# KiCad board UNI_i5.kicad_pcb
title: zensai65_UNI_i5; rev: v6; company: shoonie
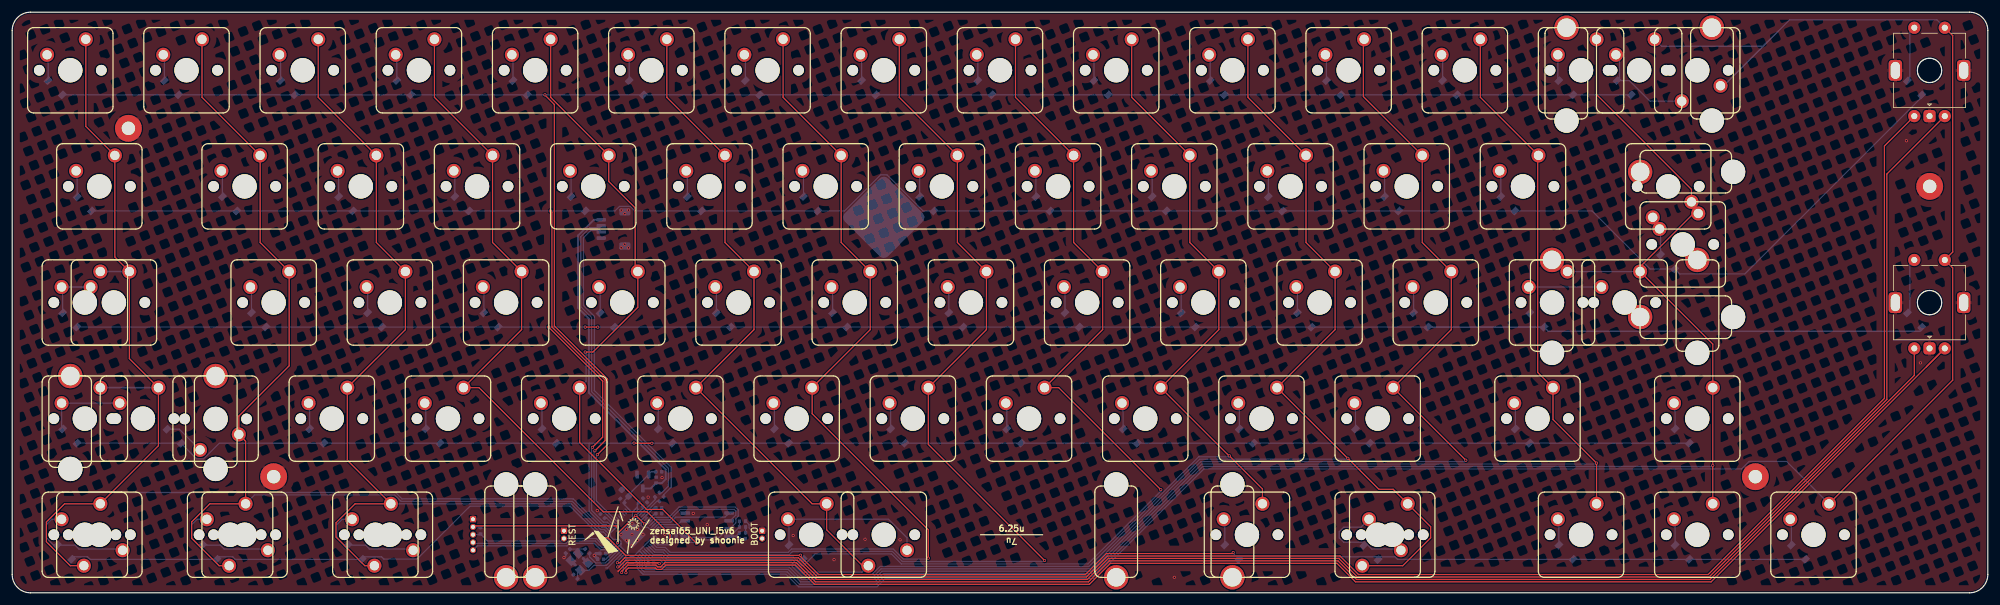
[diagram p0: board, top side]
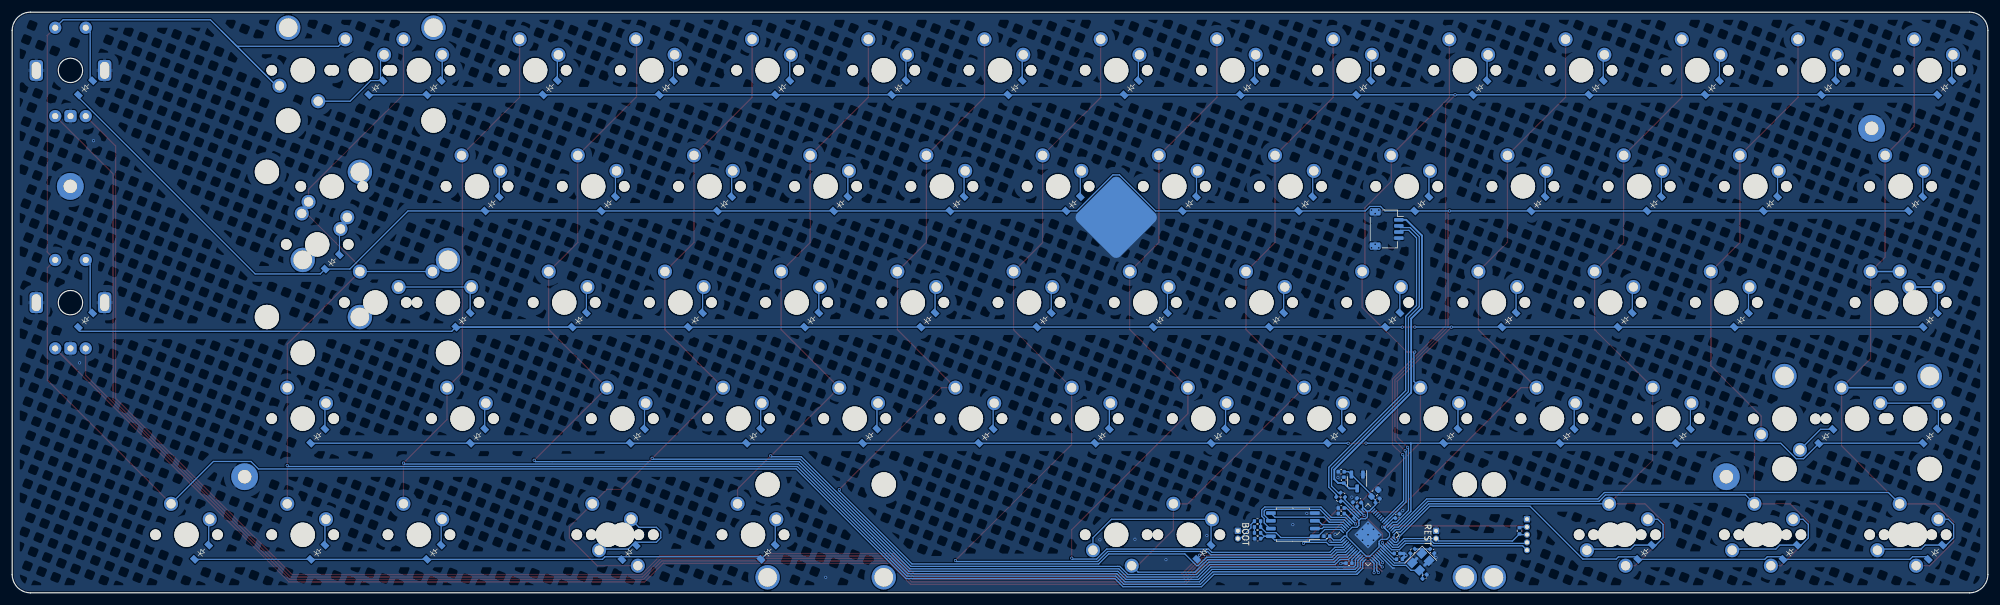
[diagram p1: board, bottom side, seen from below]

Outline 323.85 x 95.25 mm; copper layers: Top, Bottom. Coordinates in mm from the lower left corner of the outline.
Outline path: circle c314.3,85.7 r2 ; circle c314.3,47.6 r2 ; 0,92.25 0,3 arc(0.88,0.88) 3,0 320.85,0 arc(322.97,0.88) 323.85,3 323.85,92.25 arc(322.97,94.37) 320.85,95.25 3,95.25 arc(0.88,94.37) 0,92.25
Stack: Top 0.035mm / dielectric 1.51mm FR4 er 4.5 / Bottom 0.035mm

## Placement (name value [footprint] x y rotation side)
C1  1u  [C_0402_1005Metric]  105.56 18.49 90 bottom
C2  1u  [C_0402_1005Metric]  105.99 19.86 0 bottom
C3  10u  [C_0603_1608Metric]  100.48 16.36 135 bottom
C4  1u  [C_0402_1005Metric]  103.73 14.5 45 bottom
C5  100n  [C_0402_1005Metric]  105.99 13 0 bottom
C6  1u  [C_0402_1005Metric]  100.03 15.11 135 bottom
C7  100n  [C_0402_1005Metric]  103.07 15.16 45 bottom
C8  100n  [C_0402_1005Metric]  105.99 13.92 0 bottom
C9  100n  [C_0402_1005Metric]  96.77 12.6 135 bottom
C10  22p  [C_0402_1005Metric]  92.33 2.64 315 bottom
C11  22p  [C_0402_1005Metric]  91.08 6.83 45 bottom
C12  1u  [C_0402_1005Metric]  119.68 8.89 0 bottom
C13  100n  [C_0402_1005Metric]  96.82 6.45 180 bottom
C14  100n  [C_0402_1005Metric]  96.44 5.51 180 bottom
C15  100n  [C_0402_1005Metric]  108.36 9.3 0 bottom
C16  100n  [C_0402_1005Metric]  104.72 4.85 0 bottom
D1  D_Small  [D_SOD-123_CLEAN]  6.99 82.93 315 bottom
D2  D_Small  [D_SOD-123_CLEAN]  26.04 82.93 315 bottom
D3  D_Small  [D_SOD-123_CLEAN]  45.09 82.93 315 bottom
D4  D_Small  [D_SOD-123_CLEAN]  64.14 82.93 315 bottom
D5  D_Small  [D_SOD-123_CLEAN]  83.19 82.93 315 bottom
D6  D_Small  [D_SOD-123_CLEAN]  102.24 82.93 315 bottom
D7  D_Small  [D_SOD-123_CLEAN]  121.29 82.93 315 bottom
D8  D_Small  [D_SOD-123_CLEAN]  140.34 82.93 315 bottom
D9  D_Small  [D_SOD-123_CLEAN]  159.39 82.93 315 bottom
D10  D_Small  [D_SOD-123_CLEAN]  178.44 82.93 315 bottom
D11  D_Small  [D_SOD-123_CLEAN]  197.49 82.93 315 bottom
D12  D_Small  [D_SOD-123_CLEAN]  216.54 82.93 315 bottom
D13  D_Small  [D_SOD-123_CLEAN]  235.59 82.93 315 bottom
D14  D_Small  [D_SOD-123_CLEAN]  254.64 82.93 315 bottom
D15  D_Small  [D_SOD-123_CLEAN]  264.16 82.93 315 bottom
D17  D_Small  [D_SOD-123_CLEAN]  11.75 63.88 315 bottom
D18  D_Small  [D_SOD-123_CLEAN]  35.56 63.88 315 bottom
D19  D_Small  [D_SOD-123_CLEAN]  54.61 63.88 315 bottom
D20  D_Small  [D_SOD-123_CLEAN]  73.66 63.88 315 bottom
D21  D_Small  [D_SOD-123_CLEAN]  92.71 63.88 315 bottom
D22  D_Small  [D_SOD-123_CLEAN]  111.76 63.88 315 bottom
D23  D_Small  [D_SOD-123_CLEAN]  130.81 63.88 315 bottom
D24  D_Small  [D_SOD-123_CLEAN]  149.86 63.88 315 bottom
D25  D_Small  [D_SOD-123_CLEAN]  168.91 63.88 315 bottom
D26  D_Small  [D_SOD-123_CLEAN]  187.96 63.88 315 bottom
D27  D_Small  [D_SOD-123_CLEAN]  207.01 63.88 315 bottom
D28  D_Small  [D_SOD-123_CLEAN]  226.06 63.88 315 bottom
D29  D_Small  [D_SOD-123_CLEAN]  245.11 63.88 315 bottom
D31  D_Small  [D_SOD-123_CLEAN]  271.3 54.36 315 bottom
D32  D_Small  [D_SOD-123_CLEAN]  311.76 82.91 315 bottom
D33  D_Small  [D_SOD-123_CLEAN]  9.37 44.83 315 bottom
D35  D_Small  [D_SOD-123_CLEAN]  40.32 44.83 315 bottom
D36  D_Small  [D_SOD-123_CLEAN]  59.37 44.83 315 bottom
D37  D_Small  [D_SOD-123_CLEAN]  78.42 44.83 315 bottom
D38  D_Small  [D_SOD-123_CLEAN]  97.47 44.83 315 bottom
D39  D_Small  [D_SOD-123_CLEAN]  116.52 44.83 315 bottom
D40  D_Small  [D_SOD-123_CLEAN]  135.57 44.83 315 bottom
D41  D_Small  [D_SOD-123_CLEAN]  154.62 44.83 315 bottom
D42  D_Small  [D_SOD-123_CLEAN]  173.67 44.83 315 bottom
D43  D_Small  [D_SOD-123_CLEAN]  192.72 44.83 315 bottom
D44  D_Small  [D_SOD-123_CLEAN]  211.77 44.83 315 bottom
D45  D_Small  [D_SOD-123_CLEAN]  230.82 44.83 315 bottom
D46  D_Small  [D_SOD-123_CLEAN]  249.87 44.83 315 bottom
D48  D_Small  [D_SOD-123_CLEAN]  311.76 44.81 315 bottom
D49  D_Small  [D_SOD-123_CLEAN]  9.37 25.78 315 bottom
D51  D_Small  [D_SOD-123_CLEAN]  26.47 25.73 315 bottom
D52  D_Small  [D_SOD-123_CLEAN]  49.85 25.78 315 bottom
D53  D_Small  [D_SOD-123_CLEAN]  68.9 25.78 315 bottom
D54  D_Small  [D_SOD-123_CLEAN]  87.95 25.78 315 bottom
D55  D_Small  [D_SOD-123_CLEAN]  107 25.78 315 bottom
D56  D_Small  [D_SOD-123_CLEAN]  126.05 25.78 315 bottom
D57  D_Small  [D_SOD-123_CLEAN]  145.1 25.78 315 bottom
D58  D_Small  [D_SOD-123_CLEAN]  164.15 25.78 315 bottom
D59  D_Small  [D_SOD-123_CLEAN]  183.2 25.78 315 bottom
D60  D_Small  [D_SOD-123_CLEAN]  202.25 25.78 315 bottom
D61  D_Small  [D_SOD-123_CLEAN]  221.3 25.78 315 bottom
D62  D_Small  [D_SOD-123_CLEAN]  247.49 25.78 315 bottom
D63  D_Small  [D_SOD-123_CLEAN]  273.69 25.78 315 bottom
D64  D_Small  [D_SOD-123_CLEAN]  8.51 6.73 315 bottom
D66  D_Small  [D_SOD-123_CLEAN]  32.33 6.73 315 bottom
D68  D_Small  [D_SOD-123_CLEAN]  56.14 6.73 315 bottom
D70  D_Small  [D_SOD-123_CLEAN]  128.43 6.73 315 bottom
D72  D_Small  [D_SOD-123_CLEAN]  199.87 6.73 315 bottom
D74  D_Small  [D_SOD-123_CLEAN]  222.66 6.68 315 bottom
D75  D_Small  [D_SOD-123_CLEAN]  254.64 6.73 315 bottom
D76  D_Small  [D_SOD-123_CLEAN]  273.69 6.73 315 bottom
D77  D_Small  [D_SOD-123_CLEAN]  292.74 6.73 315 bottom
H1  MountingHole_Pad  [MountingHole_2.2mm_M2_Pad]  19.05 76.2 0 top
H2  MountingHole_Pad  [MountingHole_2.2mm_M2_Pad]  42.86 19.05 0 top
H3  MountingHole_Pad  [MountingHole_2.2mm_M2_Pad]  314.33 66.67 0 top
H4  MountingHole_Pad  [MountingHole_2.2mm_M2_Pad]  285.75 19.05 0 top
H5  -  [info]  104.39 9.4 0 top
H6  bottom row guide  [bottom_row_guide]  163.83 9.53 0 top
H7  MountingHole_Pad  [MountingHole_6mm_Pad]  142.88 61.59 180 bottom
J1  ZX-SH1.0-4PWT  [JST_SH_SM04B-SRSS-TB_1x04-1MP_P1.00mm_Horizontal]  98.55 59.69 270 bottom
J3  Conn_01x05  [PinHeader_1x05_P1.27mm_Vertical]  75.54 12.08 180 bottom
R3  5.1k  [R_0402_1005Metric]  76.76 10.17 90 bottom
R4  27  [R_0402_1005Metric]  106.43 15.37 225 bottom
R5  27  [R_0402_1005Metric]  105.75 16.06 225 bottom
R6  1k  [R_0402_1005Metric]  94.28 6.83 315 bottom
R7  1k  [R_0402_1005Metric]  119.71 11.76 180 bottom
R8  5.1k  [R_0402_1005Metric]  119.71 10.8 0 bottom
R9  5.1k  [R_0402_1005Metric]  119.71 9.83 180 bottom
S15  MX_stab  [STAB_MX_P_2u]  266.7 85.72 0 top
S31  MX_stab  [STAB_MX_P_2u]  273.84 57.15 90 top
S47  MX_stab  [STAB_MX_P_2u]  264.32 47.62 0 top
S50  MX_stab  [STAB_MX_P_2u]  21.43 28.58 0 top
S70  MX_stab  [STAB_MX_P_6.25u]  130.97 9.53 180 top
S71  MX_stab  [STAB_MX_P_7u]  142.88 9.53 180 top
SW1  MX_SW_solder  [SW_MX_1u]  9.53 85.72 0 top
SW2  MX_SW_solder  [SW_MX_1u]  28.58 85.72 0 top
SW3  MX_SW_solder  [SW_MX_1u]  47.63 85.72 0 top
SW4  MX_SW_solder  [SW_MX_1u]  66.68 85.72 0 top
SW5  MX_SW_solder  [SW_MX_1u]  85.73 85.72 0 top
SW6  MX_SW_solder  [SW_MX_1u]  104.78 85.72 0 top
SW7  MX_SW_solder  [SW_MX_1u]  123.83 85.72 0 top
SW8  MX_SW_solder  [SW_MX_1u]  142.88 85.72 0 top
SW9  MX_SW_solder  [SW_MX_1u]  161.93 85.72 0 top
SW10  MX_SW_solder  [SW_MX_1u]  180.98 85.72 0 top
SW11  MX_SW_solder  [SW_MX_1u]  200.03 85.72 0 top
SW12  MX_SW_solder  [SW_MX_1u]  219.08 85.72 0 top
SW13  MX_SW_solder  [SW_MX_1u]  238.13 85.72 0 top
SW14  MX_SW_solder  [SW_MX_1u]  257.18 85.72 0 top
SW15  MX_SW_solder  [SW_MX_1u]  266.7 85.72 0 top
SW16  MX_SW_solder  [SW_MX_1u]  276.23 85.72 180 top
SW17  MX_SW_solder  [SW_MX_1u]  14.29 66.67 0 top
SW18  MX_SW_solder  [SW_MX_1u]  38.1 66.67 0 top
SW19  MX_SW_solder  [SW_MX_1u]  57.15 66.67 0 top
SW20  MX_SW_solder  [SW_MX_1u]  76.2 66.67 0 top
SW21  MX_SW_solder  [SW_MX_1u]  95.25 66.67 0 top
SW22  MX_SW_solder  [SW_MX_1u]  114.3 66.67 0 top
SW23  MX_SW_solder  [SW_MX_1u]  133.35 66.67 0 top
SW24  MX_SW_solder  [SW_MX_1u]  152.4 66.67 0 top
SW25  MX_SW_solder  [SW_MX_1u]  171.45 66.67 0 top
SW26  MX_SW_solder  [SW_MX_1u]  190.5 66.67 0 top
SW27  MX_SW_solder  [SW_MX_1u]  209.55 66.67 0 top
SW28  MX_SW_solder  [SW_MX_1u]  228.6 66.67 0 top
SW29  MX_SW_solder  [SW_MX_1u]  247.65 66.67 0 top
SW30  MX_SW_solder  [SW_MX_1u]  271.46 66.67 180 top
SW31  MX_SW_solder  [SW_MX_1u]  273.84 57.15 0 top
SW32  RotaryEncoder_Switch  [ROT_Alps_EC11E-Switch]  314.3 85.7 0 top
SW33  MX_SW_solder  [SW_MX_1u]  11.91 47.62 0 top
SW34  MX_SW_solder  [SW_MX_1u]  16.67 47.62 0 top
SW35  MX_SW_solder  [SW_MX_1u]  42.86 47.62 0 top
SW36  MX_SW_solder  [SW_MX_1u]  61.91 47.62 0 top
SW37  MX_SW_solder  [SW_MX_1u]  80.96 47.62 0 top
SW38  MX_SW_solder  [SW_MX_1u]  100.01 47.62 0 top
SW39  MX_SW_solder  [SW_MX_1u]  119.06 47.62 0 top
SW40  MX_SW_solder  [SW_MX_1u]  138.11 47.62 0 top
SW41  MX_SW_solder  [SW_MX_1u]  157.16 47.62 0 top
SW42  MX_SW_solder  [SW_MX_1u]  176.21 47.62 0 top
SW43  MX_SW_solder  [SW_MX_1u]  195.26 47.62 0 top
SW44  MX_SW_solder  [SW_MX_1u]  214.31 47.62 0 top
SW45  MX_SW_solder  [SW_MX_1u]  233.36 47.62 0 top
SW46  MX_SW_solder  [SW_MX_1u]  252.41 47.62 0 top
SW47  MX_SW_solder  [SW_MX_1u]  264.32 47.62 0 top
SW48  RotaryEncoder_Switch  [ROT_Alps_EC11E-Switch]  314.3 47.6 0 top
SW49  MX_SW_solder  [SW_MX_1u]  11.91 28.58 0 top
SW50  MX_SW_solder  [SW_MX_1u]  21.43 28.58 0 top
SW51  MX_SW_solder  [SW_MX_1u]  33.34 28.52 180 top
SW52  MX_SW_solder  [SW_MX_1u]  52.39 28.58 0 top
SW53  MX_SW_solder  [SW_MX_1u]  71.44 28.58 0 top
SW54  MX_SW_solder  [SW_MX_1u]  90.49 28.58 0 top
SW55  MX_SW_solder  [SW_MX_1u]  109.54 28.58 0 top
SW56  MX_SW_solder  [SW_MX_1u]  128.59 28.58 0 top
SW57  MX_SW_solder  [SW_MX_1u]  147.64 28.58 0 top
SW58  MX_SW_solder  [SW_MX_1u]  166.69 28.58 0 top
SW59  MX_SW_solder  [SW_MX_1u]  185.74 28.58 0 top
SW60  MX_SW_solder  [SW_MX_1u]  204.79 28.58 0 top
SW61  MX_SW_solder  [SW_MX_1u]  223.84 28.58 0 top
SW62  MX_SW_solder  [SW_MX_1u]  250.03 28.58 0 top
SW63  MX_SW_solder  [SW_MX_1u]  276.23 28.58 0 top
SW64  MX_SW_solder  [SW_MX_1u]  11.91 9.53 0 top
SW65  MX_SW_solder  [SW_MX_1u]  14.29 9.53 180 top
SW66  MX_SW_solder  [SW_MX_1u]  35.72 9.53 0 top
SW67  MX_SW_solder  [SW_MX_1u]  38.1 9.53 180 top
SW68  MX_SW_solder  [SW_MX_1u]  59.53 9.53 0 top
SW69  MX_SW_solder  [SW_MX_1u]  61.91 9.53 180 top
SW70  MX_SW_solder  [SW_MX_1u]  130.97 9.53 0 top
SW71  MX_SW_solder  [SW_MX_1u]  142.88 9.53 180 top
SW72  MX_SW_solder  [SW_MX_1u]  202.41 9.53 0 top
SW73  MX_SW_solder  [SW_MX_1u]  223.84 9.53 180 top
SW74  MX_SW_solder  [SW_MX_1u]  226.22 9.53 0 top
SW75  MX_SW_solder  [SW_MX_1u]  257.18 9.53 0 top
SW76  MX_SW_solder  [SW_MX_1u]  276.23 9.53 0 top
SW77  MX_SW_solder  [SW_MX_1u]  295.28 9.53 0 top
SW78  SW_RESET  [PinHeader_1x02_P1.27mm_Vertical]  90.45 10.17 0 top
SW79  SW_BOOTSEL  [PinHeader_1x02_P1.27mm_Vertical]  122.94 10.17 0 top
U1  RP2040  [QFN-56-1EP_7x7mm_P0.4mm_EP3.2x3.2mm]  101.6 9.53 135 bottom
U2  XC6206PxxxMR  [SOT-23-3]  103.38 18.26 270 bottom
U4  W25Q128JVS  [SOIC-8_5.23x5.23mm_P1.27mm]  113.92 11.18 0 bottom
Y1  Crystal_GND24  [Crystal_SMD_3225-4Pin_3.2x2.5mm]  92.96 5.08 315 bottom

## Library data of the parts
C1-C16 = -: Description: Unpolarized capacitor, small symbol
D1-D15 D17-D29 D31-D33 D35-D46 D48 D49 D51-D64 D66 D68 D70 D72 D74-D77 = -: Description: Diode, small symbol; Sim.Device: D; Sim.Pins: 1=K 2=A
H1-H4 H7 = -: Description: Mounting Hole with connection
H5 H6 = -: Description: Mounting Hole without connection
J1 = -: Description: Generic connectable mounting pin connector, single row, 01x04, script generated (kicad-library-utils/schlib/autogen/connector/); LCSC Part Number: C7430446; Manufacturer: Megastar
J3 = -: Description: Generic connector, single row, 01x05, script generated (kicad-library-utils/schlib/autogen/connector/)
R3-R9 = -: Description: Resistor, small symbol
S15 S31 S47 S50 S70 S71 = -: Description: Cherry MX-style stabilizer
SW1-SW31 SW33-SW47 SW49-SW77 = -: Description: Push button switch, normally open, two pins, 45° tilted
SW32 SW48 = -: Description: Rotary encoder, dual channel, incremental quadrate outputs, with switch
SW78 SW79 = -: Description: Push button switch, generic, two pins
U1 = -: Description: A microcontroller by Raspberry Pi
U2 = -: Description: Positive 60-250mA Low Dropout Regulator, Fixed Output, SOT-23
U4 = -: Description: 128Mb Serial Flash Memory, Standard/Dual/Quad SPI, SOIC-8
Y1 = -: Description: Four pin crystal, GND on pins 2 and 4

## Footprints (pads in the part's own frame, mm; a bottom-side part is the same pattern mirrored in y, then rotated)
C_0402_1005Metric
  rrect 0.56x0.62 smd: 1(-0.48,0) 2(0.48,0)
C_0603_1608Metric
  rrect 0.9x0.95 smd: 1(-0.775,0) 2(0.775,0)
Crystal_SMD_3225-4Pin_3.2x2.5mm
  rect 1.4x1.2 smd: 1(-1.1,-0.85) 2(1.1,-0.85) 3(1.1,0.85) 4(-1.1,0.85)
D_SOD-123_CLEAN
  rect 0.9x1.2 smd: 1(1.75,0) 2(-1.55,0)
JST_SH_SM04B-SRSS-TB_1x04-1MP_P1.00mm_Horizontal
  rrect 0.6x1.55 smd: 1(-1.5,2) 2(-0.5,2) 3(0.5,2) 4(1.5,2)
  rrect 1.2x1.8 smd: MP(-2.8,-1.875) MP(2.8,-1.875)
MountingHole_2.2mm_M2_Pad
  round 4.4 hole 2.2: 1(0,0)
MountingHole_6mm_Pad
  rrect 10x10 smd rot 135: 1(0,0)
PinHeader_1x02_P1.27mm_Vertical
  rect 1x1 hole 0.65: 1(0,0)
  oval 1x1 hole 0.65: 2(0,-1.27)
PinHeader_1x05_P1.27mm_Vertical
  rect 1x1 hole 0.65: 1(0,0)
  oval 1x1 hole 0.65: 2(0,-1.27) 3(0,-2.54) 4(0,-3.81) 5(0,-5.08)
QFN-56-1EP_7x7mm_P0.4mm_EP3.2x3.2mm
  rrect 1.29x1.29 smd: (-0.8,-0.8) (-0.8,0.8) (0.8,-0.8) (0.8,0.8)
  rrect 0.875x0.2 smd: 1(-3.438,2.6) 2(-3.438,2.2) 3(-3.438,1.8) 4(-3.438,1.4) 5(-3.438,1) 6(-3.438,0.6) 7(-3.438,0.2) 8(-3.438,-0.2) 9(-3.438,-0.6) 10(-3.438,-1) 11(-3.438,-1.4) 12(-3.438,-1.8) 13(-3.438,-2.2) 14(-3.438,-2.6) 29(3.438,-2.6) 30(3.438,-2.2) 31(3.438,-1.8) 32(3.438,-1.4) 33(3.438,-1) 34(3.438,-0.6) 35(3.438,-0.2) 36(3.438,0.2) 37(3.438,0.6) 38(3.438,1) 39(3.438,1.4) 40(3.438,1.8) 41(3.438,2.2) 42(3.438,2.6)
  rrect 0.2x0.875 smd: 15(-2.6,-3.438) 16(-2.2,-3.438) 17(-1.8,-3.438) 18(-1.4,-3.438) 19(-1,-3.438) 20(-0.6,-3.438) 21(-0.2,-3.438) 22(0.2,-3.438) 23(0.6,-3.438) 24(1,-3.438) 25(1.4,-3.438) 26(1.8,-3.438) 27(2.2,-3.438) 28(2.6,-3.438) 43(2.6,3.438) 44(2.2,3.438) 45(1.8,3.438) 46(1.4,3.438) 47(1,3.438) 48(0.6,3.438) 49(0.2,3.438) 50(-0.2,3.438) 51(-0.6,3.438) 52(-1,3.438) 53(-1.4,3.438) 54(-1.8,3.438) 55(-2.2,3.438) 56(-2.6,3.438)
  rect 3.2x3.2 smd: 57(0,0)
R_0402_1005Metric
  rrect 0.54x0.64 smd: 1(-0.51,0) 2(0.51,0)
ROT_Alps_EC11E-Switch
  round 2 hole 1: A(-2.5,-7.5) B(2.5,-7.5) S1(2.5,7) S2(-2.5,7)
  rrect 2x2 hole 1: C(0,-7.5)
  rrect 2.2x3.4 hole 1.5x2.8: MP(-5.6,0) MP(5.6,0)
SOIC-8_5.23x5.23mm_P1.27mm
  rrect 1.6x0.6 smd: 1(-3.6,1.905) 2(-3.6,0.635) 3(-3.6,-0.635) 4(-3.6,-1.905) 5(3.6,-1.905) 6(3.6,-0.635) 7(3.6,0.635) 8(3.6,1.905)
SOT-23-3
  rrect 1.325x0.6 smd: 1(-1.137,0.95) 2(-1.137,-0.95) 3(1.137,0)
STAB_MX_P_2u
  round 4 hole 3.048: (-11.906,6.985) (11.906,6.985)
  round 3.988 hole 3.988 unplated: (-11.906,-8.255) (11.906,-8.255)
STAB_MX_P_6.25u
  round 4 hole 3.048: (-50.006,6.985) (50.006,6.985)
  round 3.988 hole 3.988 unplated: (-50.006,-8.255) (50.006,-8.255)
STAB_MX_P_7u
  round 4 hole 3.048: (-57.15,6.985) (57.15,6.985)
  round 3.988 hole 3.988 unplated: (-57.15,-8.255) (57.15,-8.255)
SW_MX_1u
  round 1.75 hole 1.75 unplated: (-5.08,0) (5.08,0)
  round 3.988 hole 3.988 unplated: (0,0)
  round 2.3 hole 1.524: 1(-3.81,2.54) 2(2.54,5.08)

## Nets
+1V1: C4.1 C5.1 C13.1 U1.23 U1.45 U1.50
+3V3: C2.1 C3.1 C6.1 C7.1 C8.1 C9.1 C12.1 C14.1 C15.1 C16.1 J3.2 R3.2 R9.2 U1.1 U1.10 U1.22 U1.33 U1.42 U1.43 U1.44 U1.48 U1.49 U2.2 U4.8
+5V: C1.1 J1.1 U2.3
GND: C1.2 C2.2 C3.2 C4.2 C5.2 C6.2 C7.2 C8.2 C9.2 C10.1 C11.1 C12.2 C13.2 C14.2 C15.2 C16.2 H1.1 H2.1 H3.1 H4.1 H7.1 J1.4 J1.MP J3.1 SW32.C SW32.MP SW48.C SW48.MP SW78.1 SW79.1 U1.19 U1.57 U2.1 U4.4 Y1.2 Y1.4
COL0: SW1.2 SW17.2 SW33.2 SW34.2 SW49.2 SW50.2 SW64.2 SW65.2 U1.30
COL1: SW2.2 SW18.2 SW35.2 SW51.1 SW66.2 SW67.2 U1.29
COL2: SW3.2 SW19.2 SW36.2 SW52.2 SW68.2 SW69.2 U1.28
COL3: SW4.2 SW20.2 SW37.2 SW53.2 U1.2
COL4: SW5.2 SW21.2 SW38.2 SW54.2 U1.3
COL5: SW6.2 SW22.2 SW39.2 SW55.2 SW70.2 SW71.2 U1.7
COL6: SW7.2 SW23.2 SW40.2 SW56.2 U1.4
COL7: SW8.2 SW24.2 SW41.2 SW57.2 U1.5
COL8: SW9.2 SW25.2 SW42.2 SW58.2 U1.6
COL9: SW10.2 SW26.2 SW43.2 SW59.2 SW72.2 U1.8
COL10: SW11.2 SW27.2 SW44.2 SW60.2 SW73.2 SW74.2 U1.9
COL11: SW12.2 SW28.2 SW45.2 SW61.2 U1.11
COL12: SW13.2 SW29.2 SW62.2 SW75.2 U1.12
COL13: SW14.2 SW30.1 SW31.2 SW46.2 SW47.2 SW63.2 SW76.2 U1.13
COL14: SW15.2 SW16.1 SW32.S1 SW48.S1 SW77.2 U1.14
D+: J1.3 R4.1
D-: J1.2 R5.1
QSPI_SCLK: U1.52 U4.6
QSPI_SD0: U1.53 U4.5
QSPI_SD1: U1.55 U4.2
QSPI_SD2: U1.54 U4.3
QSPI_SD3: U1.51 U4.7
QSPI_SS: R7.2 R8.1 U1.56 U4.1
RESET: J3.3 R3.1 SW78.2 U1.26
ROW0: D1.1 D2.1 D3.1 D4.1 D5.1 D6.1 D7.1 D8.1 D9.1 D10.1 D11.1 D12.1 D13.1 D14.1 D15.1 U1.35
ROW1: D17.1 D18.1 D19.1 D20.1 D21.1 D22.1 D23.1 D24.1 D25.1 D26.1 D27.1 D28.1 D29.1 D31.1 D32.1 U1.34
ROW2: D33.1 D35.1 D36.1 D37.1 D38.1 D39.1 D40.1 D41.1 D42.1 D43.1 D44.1 D45.1 D46.1 D48.1 U1.32
ROW3: D49.1 D51.1 D52.1 D53.1 D54.1 D55.1 D56.1 D57.1 D58.1 D59.1 D60.1 D61.1 D62.1 D63.1 U1.31
ROW4: D64.1 D66.1 D68.1 D70.1 D72.1 D74.1 D75.1 D76.1 D77.1 U1.27
SW32A: SW32.A U1.18
SW32B: SW32.B U1.17
SW48A: SW48.A U1.16
SW48B: SW48.B U1.15
SWCLK: J3.5 U1.24
SWD: J3.4 U1.25
XIN: C10.2 U1.20 Y1.3
XOUT: R6.2 U1.21
Net-(C11-Pad2): C11.2 R6.1 Y1.1
Net-(D1-A): D1.2 SW1.1
Net-(D2-A): D2.2 SW2.1
Net-(D3-A): D3.2 SW3.1
Net-(D4-A): D4.2 SW4.1
Net-(D5-A): D5.2 SW5.1
Net-(D6-A): D6.2 SW6.1
Net-(D7-A): D7.2 SW7.1
Net-(D8-A): D8.2 SW8.1
Net-(D9-A): D9.2 SW9.1
Net-(D10-A): D10.2 SW10.1
Net-(D11-A): D11.2 SW11.1
Net-(D12-A): D12.2 SW12.1
Net-(D13-A): D13.2 SW13.1
Net-(D14-A): D14.2 SW14.1
Net-(D15-A): D15.2 SW15.1 SW16.2
Net-(D17-A): D17.2 SW17.1
Net-(D18-A): D18.2 SW18.1
Net-(D19-A): D19.2 SW19.1
Net-(D20-A): D20.2 SW20.1
Net-(D21-A): D21.2 SW21.1
Net-(D22-A): D22.2 SW22.1
Net-(D23-A): D23.2 SW23.1
Net-(D24-A): D24.2 SW24.1
Net-(D25-A): D25.2 SW25.1
Net-(D26-A): D26.2 SW26.1
Net-(D27-A): D27.2 SW27.1
Net-(D28-A): D28.2 SW28.1
Net-(D29-A): D29.2 SW29.1
Net-(D31-A): D31.2 SW30.2 SW31.1
Net-(D32-A): D32.2 SW32.S2
Net-(D33-A): D33.2 SW33.1 SW34.1
Net-(D35-A): D35.2 SW35.1
Net-(D36-A): D36.2 SW36.1
Net-(D37-A): D37.2 SW37.1
Net-(D38-A): D38.2 SW38.1
Net-(D39-A): D39.2 SW39.1
Net-(D40-A): D40.2 SW40.1
Net-(D41-A): D41.2 SW41.1
Net-(D42-A): D42.2 SW42.1
Net-(D43-A): D43.2 SW43.1
Net-(D44-A): D44.2 SW44.1
Net-(D45-A): D45.2 SW45.1
Net-(D46-A): D46.2 SW46.1 SW47.1
Net-(D48-A): D48.2 SW48.S2
Net-(D49-A): D49.2 SW49.1 SW50.1
Net-(D51-A): D51.2 SW51.2
Net-(D52-A): D52.2 SW52.1
Net-(D53-A): D53.2 SW53.1
Net-(D54-A): D54.2 SW54.1
Net-(D55-A): D55.2 SW55.1
Net-(D56-A): D56.2 SW56.1
Net-(D57-A): D57.2 SW57.1
Net-(D58-A): D58.2 SW58.1
Net-(D59-A): D59.2 SW59.1
Net-(D60-A): D60.2 SW60.1
Net-(D61-A): D61.2 SW61.1
Net-(D62-A): D62.2 SW62.1
Net-(D63-A): D63.2 SW63.1
Net-(D64-A): D64.2 SW64.1 SW65.1
Net-(D66-A): D66.2 SW66.1 SW67.1
Net-(D68-A): D68.2 SW68.1 SW69.1
Net-(D70-A): D70.2 SW70.1 SW71.1
Net-(D72-A): D72.2 SW72.1
Net-(D74-A): D74.2 SW73.1 SW74.1
Net-(D75-A): D75.2 SW75.1
Net-(D76-A): D76.2 SW76.1
Net-(D77-A): D77.2 SW77.1
Net-(R7-Pad1): R7.1 SW79.2
Net-(R8-Pad2): R8.2 R9.1
Net-(U1-USB_DM): R5.2 U1.46
Net-(U1-USB_DP): R4.2 U1.47

Pads without a net: U1 36 37 38 39 40 41

## Via types
v1: diameter 0.5, hole 0.3, Top to Bottom, 63 vias

## Routing (per net, layer and track width the routed paths; a pad name or vN(x,y) marks a point on that pad's centre or on a via; arc(x,y) is an arc through that point)
+1V1: length 16.1
  Top w0.2: v1(103.65,11.29) v1(102.23,12.7) 102.2,12.7 99.24,9.74 v1(99.24,8.22)
  Bottom w0.2: C4.1 103.39,13.86 U1.45 v1(102.23,12.7) ; 104.48,12.13 U1.50 v1(103.65,11.29) ; 104.48,12.13 105.36,13 104.48,12.13 ; v1(99.24,8.22) 99.24,8.01 U1.23 97.68,6.45 C13.1
+3V3: length 87.5
  Top w0.2: 75.71,10.97 99.05,10.97 v1(99.23,10.79)
  Bottom w0.2: 117.52,9.27 116.92,8.67 111.16,8.67 111.16,8.67 108.5,8.67 C15.1 107.25,8.67 106.13,8.67 U1.1 105.49,9.31 105.2,9.31 105.08,9.19 ; 117.52,9.27 118.62,9.27 119,8.89 ; 117.52,9.27 118.64,9.27 R9.2 ; 101.82,13.42 101.68,13.28 101.68,12.47 102,12.15 102.79,12.15 103.1,11.84 ; 101.82,13.42 101.38,13.42 U1.42 100.36,14.44 C6.1 100.36,15.14 C3.1 ; 101.82,13.42 U1.43 ; 98.31,10.05 98.07,9.81 98.07,9.24 98.53,8.77 99.46,8.77 99.79,8.45 99.79,8.1 ; 98.31,10.05 99.05,10.79 v1(99.23,10.79) ; 98.31,10.05 98.84,10.58 98.84,10.87 U1.33 97.45,12.26 C9.1 ; 104.57,13.34 105.15,13.92 C8.1 ; 104.57,13.34 103.89,12.66 ; 104.57,13.34 U1.48 ; C16.1 104.24,5.47 U1.10 102.81,6.9 102.8,6.9 ; 105.08,9.19 105.08,9.86 104.21,10.74 103.42,10.74 103.1,11.06 103.1,11.43 103.1,11.43 103.1,11.84 ; 105.08,9.19 102.8,6.9 ; 99.79,8.1 99.79,7.99 99.46,7.67 U1.22 97.3,5.51 C14.1 ; 99.79,8.1 99.79,7.52 101.31,5.99 101.89,5.99 102.8,6.9 ; C2.1 104.79,19.86 U2.2 101.03,16.1 ; C7.1 102.48,14.57 U1.44 ; 103.1,11.84 103.1,11.87 U1.48 ; U1.48 103.89,12.66 ; 103.89,12.66 U1.49 ; J3.2 76.63,10.81
+5V: length 55.2
  Bottom w0.3: U2.3 104.68,17.13 C1.1 106.49,18.01 107.13,18.65 107.13,20.21 94.53,32.81 94.53,44.98 92.75,46.76 92.75,58.6 95.34,61.19 J1.1
GND: length 22.2
  Top w0.2: 105.9,4.95 101.85,4.95 ; 105.9,4.95 v1(106.06,4.79) ; 105.9,4.95 100.98,4.95 ; 101.85,4.95 100.98,4.95 ; 101.85,4.95 101.23,4.95 ; 99.31,3.56 99.35,3.56 100.75,4.95 100.98,4.95
  Bottom w0.2: C11.1 90.74,6.06 v1(90.45,5.77) ; C16.2 105.99,4.85 v1(106.06,4.79) ; U1.19 97.55,4.06 97.28,4.06
  Bottom w0.5: Y1.4 92.3,4.54 ; C13.2 95.71,6.45 v1(95.4,6.15) 95.96,5.59 C14.2 ; Y1.2 93.61,5.64
  vias: v1(95.91,13.49) v1(99.83,62.79) v1(99.83,56.59) v1(99.8,9.53) v1(100.43,62.19) v1(100.43,57.19) v1(100.7,10.42) v1(100.7,8.63) v1(101.03,62.79) v1(101.03,56.59) v1(101.6,11.32) v1(101.6,9.53) v1(101.6,7.73) v1(102.5,10.42) v1(102.5,8.63) v1(103.4,9.53) v1(104.24,15.7) v1(106.53,18.9) v1(106.98,9.6) v1(111.63,13.03) v1(113.92,11.18) v1(128.02,9.4) v1(134.72,5.44) v1(139.8,8.79) v1(145.54,8.69) v1(190.5,2.54) v1(310.52,74.17) v1(312.8,37.72)
COL0: length 206.9
  Top w0.2: 12.07,90.81 12.07,76.52 16.83,71.75 16.83,55.09 SW34.2 19.21,38.42 SW50.2 23.97,24.13 SW64.2 8.59,14.61 5.6,11.62 5.6,8.37 9.53,4.44 SW65.2
  Bottom w0.2: SW64.2 16.3,16.45 62.85,16.45 63.9,15.41 91.97,15.41 96.6,10.78 97.24,10.78 U1.30
  Bottom w0.25: SW49.2 SW50.2 ; SW33.2 SW34.2
COL1: length 168.9
  Top w0.2: SW2.2 31.12,81.28 40.64,71.75 40.64,57.47 SW35.2 45.4,37.24 37.15,28.99 SW51.1 38.26,24.87 SW66.2 32.4,14.61 29.41,11.62 29.41,8.94 33.91,4.44 SW67.2
  Bottom w0.2: SW66.2 39.71,16.06 62.69,16.06 63.74,15 91.81,15 96.44,10.38 97.07,10.38 U1.29
COL2: length 147.8
  Top w0.2: SW69.2 57.8,4.44 53.09,9.16 53.09,11.48 56.21,14.61 SW68.2 54.93,21.75 SW52.2 64.45,43.18 SW36.2 59.69,57.47 59.69,71.75 50.17,81.28 SW3.2
  Bottom w0.2: SW68.2 91.64,14.61 96.27,9.98 96.91,9.98 97.33,9.55 U1.28
COL3: length 114.4
  Top w0.2: v1(107.84,8.48) 107.84,9.53 104.08,13.28 96.89,13.28 76.52,33.66 SW53.2 83.5,43.18 SW37.2 78.74,57.47 78.74,71.75 69.22,81.28 SW4.2
  Bottom w0.2: U1.2 105.96,8.27 107.63,8.27 v1(107.84,8.48)
COL4: length 109.6
  Top w0.2: v1(112.18,8.12) 106.62,13.68 103.99,13.68 93.03,24.65 SW54.2 ; 102.11,53.15 102.11,63.16 97.79,67.48 97.79,71.75 88.27,81.28 SW5.2 ; SW38.2 102.55,46.85 95.2,39.5 v1(93.93,39.5)
  Bottom w0.2: SW54.2 94.08,34.7 94.08,39.35 v1(93.93,39.5) ; v1(112.18,8.12) 112.04,8.27 108.41,8.27 107.99,7.86 105.81,7.86 U1.3
COL5: length 146.6
  Top w0.2: SW6.2 107.32,81.28 116.84,71.75 116.84,57.47 SW39.2 121.6,43.18 SW55.2 131.13,14.61 SW70.2 133.51,10.33 139.4,4.44
  Bottom w0.2: U1.7 105.15,6.26 106.52,6.26 107.33,5.44 127.88,5.44 129.93,3.39 139.29,3.39 139.94,4.05
COL6: length 149.6
  Top w0.2: v1(150.16,5.68) 150.16,10.35 131.13,29.38 SW56.2 140.65,43.18 SW40.2 135.89,57.47 135.89,71.75 126.37,81.28 126.37,90.81
  Bottom w0.2: U1.4 105.65,7.46 107.03,7.46 107.85,6.64 127.21,6.64 127.75,7.18 144.44,7.18 146.08,5.53 150.02,5.53 v1(150.16,5.68)
COL7: length 169.4
  Top w0.2: v1(169.23,5.3) 150.18,24.35 SW57.2 159.7,43.18 SW41.2 154.94,57.47 154.94,71.75 145.42,81.28 SW8.2
  Bottom w0.2: v1(169.23,5.3) 169.07,5.14 145.92,5.14 144.27,6.78 127.91,6.78 127.37,6.24 107.68,6.24 106.87,7.06 105.48,7.06 U1.5
COL8: length 184.8
  Top w0.2: SW9.2 164.47,81.28 173.99,71.75 173.99,57.47 SW42.2 178.75,43.18 SW58.2 171.54,33.66 v1(188.28,16.92)
  Bottom w0.2: U1.6 105.18,6.79 105.31,6.66 106.7,6.66 107.52,5.84 128.05,5.84 129.44,4.45 129.7,4.45 131.63,6.38 144.11,6.38 145.75,4.73 176.35,4.73 188.28,16.67 v1(188.28,16.92)
COL9: length 198.3
  Top w0.2: SW10.2 183.52,81.28 193.04,71.75 193.04,57.47 SW43.2 197.8,43.18 SW59.2 199.46,22.47 v1(199.52,22.47) 204.95,17.04 SW72.2
  Bottom w0.2: U1.8 104.98,5.86 106.33,5.86 107.15,5.04 127.69,5.04 129.73,3 140.94,3 142.28,4.34 142.61,4.34 176.51,4.34 194.5,22.32 199.37,22.32 v1(199.52,22.47)
COL10: length 241.7
  Top w0.2: SW11.2 202.57,81.28 212.09,71.75 212.09,57.47 SW44.2 216.85,43.18 SW60.2 218.88,22.1 218.92,22.1 v1(218.95,22.07) 224.03,16.99 226.38,16.99 SW74.2 232.52,10.84 232.52,9.02 227.95,4.44 SW73.2
  Bottom w0.2: U1.9 104.82,5.46 106.16,5.46 106.98,4.64 127.52,4.64 129.57,2.59 141.1,2.59 142.44,3.94 176.68,3.94 194.66,21.92 218.8,21.92 v1(218.95,22.07)
COL11: length 229.4
  Top w0.2: 221.49,90.68 221.49,81.41 231.14,71.75 231.14,57.47 SW45.2 235.9,43.18 SW61.2 v1(238.28,21.75) 238.36,21.67
  Bottom w0.2: v1(238.28,21.75) 238.06,21.52 194.83,21.52 176.84,3.54 142.61,3.54 141.27,2.19 129.4,2.19 127.36,4.24 103.92,4.24 103.66,4.5 103.66,5.48 U1.11
COL12: length 251.3
  Top w0.2: 250.07,71.63 250.07,36.16 SW62.2 252.57,28.43 v1(259.72,21.29) 259.72,14.61 ; 250.19,71.75 240.67,81.28 SW13.2
  Bottom w0.2: v1(259.72,21.29) 259.55,21.12 194.99,21.12 182.83,8.96 177.01,3.14 142.77,3.14 141.43,1.8 129.24,1.8 127.19,3.84 103.76,3.84 103.26,4.33 103.26,5.32 U1.12
COL13: length 287.1
  Top w0.2: 259.72,90.81 259.72,81.74 275.27,66.18 SW30.1 ; 275.61,62.23 266.86,53.48 ; 278.77,14.61 v1(278.77,20.88) 278.77,40.8 SW47.2
  Bottom w0.2: SW46.2 SW47.2 ; v1(278.77,20.88) 278.61,20.72 195.16,20.72 183,8.56 183,8.56 177.18,2.74 142.94,2.74 141.6,1.39 129.07,1.39 127.02,3.44 103.59,3.44 102.86,4.17 102.86,5.15 U1.13
COL14: length 372.4
  Top w0.2: SW77.2 318.1,34.89 318.1,53.3 SW48.S1 318.1,55.9 318.1,91.4 SW32.S1
  Bottom w0.2: 103.43,3.04 126.86,3.04 128.91,1 141.76,1 143.11,2.34 177.34,2.34 195.33,20.32 283.48,20.32 284.71,21.55 290.87,21.55 SW77.2 ; 103.43,3.04 103.12,3.35 ; 103.43,3.04 103.12,3.35 ; 287.66,90.3 280.54,83.19 287.92,90.56 ; 287.66,90.3 287.01,89.66 ; 287.66,90.3 287.92,90.56 ; SW32.S1 315.5,94 291.36,94 287.92,90.56 ; 103.12,3.35 102.46,4 102.46,4.98 U1.14 ; 287.01,89.66 289.59,92.23 ; 287.01,89.66 270.39,89.66 SW15.2
D+: length 52.5
  Bottom w0.2: R4.1 106.79,16.1 108.03,17.34 108.03,20.58 95.43,33.19 95.43,45.35 93.65,47.13 93.65,58.23 94.89,59.46 96.28,59.46 J1.3
D-: length 52.9
  Bottom w0.2: R5.1 106.47,16.42 107.58,17.52 107.58,20.4 94.98,33 94.98,45.17 93.2,46.95 93.2,58.41 94.7,59.92 96.28,59.92 J1.2
QSPI_SCLK: length 17
  Bottom w0.2: U1.52 105.47,11.98 107.78,11.98 109.48,13.68 118.36,13.68 118.62,13.42 118.62,12.74 117.69,11.81
QSPI_SD0: length 13.4
  Bottom w0.2: 117.52,13.08 116.85,12.41 108.78,12.41 107.94,11.58 105.63,11.58 U1.53
QSPI_SD1: length 5
  Bottom w0.2: U4.2 109.13,10.54 108.89,10.78 105.96,10.78 U1.55
QSPI_SD2: length 4.9
  Bottom w0.2: U1.54 105.8,11.18 109.13,11.18 109.76,11.81
QSPI_SD3: length 19.4
  Bottom w0.2: 117.69,10.54 118.62,11.47 118.62,12.18 119.02,12.58 119.02,13.58 118.52,14.08 109.32,14.08 107.61,12.38 105.3,12.38 U1.51
QSPI_SS: length 14.8
  Bottom w0.2: 109.79,9.27 108.69,10.38 106.13,10.38 U1.56 ; R8.1 R7.2 ; 119.2,10.76 118.31,9.87 116.68,9.87 115.89,9.07 110.52,9.07
RESET: length 23.5
  Bottom w0.2: R3.1 77.91,8.5 90.05,8.5 90.45,8.9 95.75,8.9 96.78,7.87 97.4,7.87 U1.26 ; J3.3 76.63,9.53
ROW0: length 333.4
  Top w0.2: v1(87.33,81.69) 87.33,81.65 88.87,80.11 88.87,43.78 97.59,35.06 97.59,24.34 v1(95.92,22.66)
  Bottom w0.2: v1(95.92,22.66) 95.77,22.51 95.77,15.07 U1.35 ; D1.1 D2.1 D3.1 D4.1 D5.1 v1(87.33,81.69) D6.1 D7.1 D8.1 D9.1 D10.1 D11.1 D12.1 D13.1 D14.1 D15.1
ROW1: length 379.4
  Top w0.2: v1(95.52,23.3) 97.19,24.97 97.19,34.89 88.47,43.62 88.47,62.41 v1(88.24,62.64)
  Bottom w0.2: 313.4,81.69 284.02,52.31 273.35,52.31 D31.1 268.5,53.12 258.97,62.64 D29.1 D28.1 D27.1 D26.1 D25.1 D24.1 149.32,62.64 143.41,68.56 142.34,68.56 136.43,62.64 D23.1 D22.1 102.05,62.64 101.3,63.39 99.55,63.39 98.8,62.64 D21.1 v1(88.24,62.64) D20.1 D19.1 D18.1 D17.1 ; v1(95.52,23.3) 95.37,23.15 95.37,14.91 U1.34
ROW2: length 361.2
  Top w0.2: v1(87.92,43.59) 96.79,34.73 96.79,34.73 96.79,25.54 v1(95.12,23.87) ; v1(93.93,43.59) 95.97,43.59 v1(95.98,43.59)
  Bottom w0.2: D46.1 D44.1 D43.1 D42.1 D41.1 D40.1 D39.1 D38.1 95.98,43.59 v1(95.98,43.59) ; D46.1 D45.1 ; D46.1 251.8,42.9 312.71,42.9 313.4,43.59 ; v1(95.12,23.87) 94.97,23.72 94.97,13.54 96.93,11.58 97.56,11.58 U1.32 ; D33.1 D35.1 D36.1 D37.1 v1(93.93,43.59)
ROW3: length 282.5
  Top w0.2: v1(101.93,24.56) 101.95,24.54 v1(104.85,24.54)
  Bottom w0.2: 27.71,24.48 30.2,21.99 31.4,21.99 33.94,24.53 51.08,24.53 D52.1 D53.1 D54.1 94.59,24.54 ; 94.59,24.54 101.91,24.54 v1(101.93,24.56) ; 94.59,24.54 94.57,24.52 94.57,13.37 96.76,11.18 97.4,11.18 U1.31 ; 249.28,24.54 D62.1 ; 249.28,24.54 D63.1 ; 249.28,24.54 D61.1 D60.1 D59.1 D58.1 D57.1 D56.1 D55.1 104.86,24.54 v1(104.85,24.54) ; D49.1 27.66,24.54
ROW4: length 299.3
  Top w0.2: v1(96.65,9.03) 97.65,9.03 100.53,6.15 129.2,6.15 v1(129.22,6.17) 129.22,5.96 132.18,3 175.91,3 179.36,6.44 199.99,6.44 v1(200.15,6.6)
  Bottom w0.2: 129.67,5.51 129.22,5.96 v1(129.22,6.17) ; 96.67,9.01 91.48,14.2 75.04,14.2 66.37,5.53 60.91,5.53 60.55,5.89 57.78,5.89 D68.1 ; 96.67,9.01 96.67,8.55 96.95,8.27 97.24,8.27 U1.27 ; 96.67,9.01 96.67,9.01 v1(96.65,9.03) ; D77.1 D76.1 D75.1 227.09,5.49 226.66,5.92 201.53,5.92 D72.1 ; D66.1 33.99,5.92 36.14,5.92 36.56,5.49 57.75,5.49 ; D64.1 10.17,5.92 12.33,5.92 12.75,5.49 33.94,5.49 ; v1(200.15,6.6) 200.15,6.45 201.1,5.5
SW32A: length 273.9
  Top w0.2: SW32.A 306.9,73.3 306.9,31.9 278,3 220.7,3 217.65,6.04 179.53,6.04 176.08,2.59 132.02,2.59 128.87,5.75 100.41,5.75 99.6,4.94 v1(99.2,4.94)
  Bottom w0.2: U1.18 99.2,5.15 v1(99.2,4.94)
SW32B: length 277
  Top w0.2: v1(99.26,4.24) 99.47,4.24 100.58,5.35 128.7,5.35 131.85,2.19 176.25,2.19 179.69,5.64 217.49,5.64 220.53,2.59 278.16,2.59 307.3,31.73 307.3,68.7 SW32.B
  Bottom w0.2: v1(99.26,4.24) 99.28,4.24 99.75,4.71 99.75,5.13 U1.17
SW48A: length 237.8
  Top w0.2: v1(99.9,3.33) 99.9,3.54 100.91,4.55 105.52,4.55 105.83,4.24 106.28,4.24 106.99,4.95 128.53,4.95 131.69,1.8 176.41,1.8 179.86,5.24 217.32,5.24 220.37,2.19 278.33,2.19 311.8,35.67 SW48.A
  Bottom w0.2: v1(99.9,3.33) 99.9,3.38 100.15,3.63 100.15,4.97 U1.16
SW48B: length 243.3
  Top w0.2: 313.8,37.1 SW48.B 313.8,37.1 ; 313.8,37.1 278.49,1.8 220.2,1.8 217.15,4.84 180.02,4.84 176.58,1.39 131.52,1.39 128.37,4.55 107.15,4.55 106.45,3.84 105.66,3.84 105.44,4.06 100.99,4.06 100.6,3.67 v1(100.6,3.3)
  Bottom w0.2: U1.15 100.6,4.85 v1(100.6,3.3)
SWCLK: length 24.1
  Bottom w0.2: J3.5 76.25,7.7 90.95,7.7 91.35,8.1 95.42,8.1 96.45,7.07 97.73,7.07 U1.24
SWD: length 23.3
  Bottom w0.2: U1.25 97.57,7.47 96.62,7.47 95.58,8.5 91.18,8.5 90.78,8.1 75.7,8.1
XIN: length 9.3
  Bottom w0.2: C10.2 92.67,3.23 Y1.3 ; U1.20 97.43,4.5 95.36,4.5 94.54,3.68 93.16,3.68
XOUT: length 6.5
  Bottom w0.2: R6.2 94.65,5.9 95.64,4.9 97.26,4.9 U1.21
Net-(C11-Pad2): length 2.5
  Bottom w0.2: 93.9,7.17 C11.2
Net-(D1-A): length 4.1
  Bottom w0.2: D1.2 5.89,88.09
Net-(D2-A): length 4.1
  Bottom w0.2: D2.2 24.94,88.09
Net-(D3-A): length 4.1
  Bottom w0.2: D3.2 43.99,88.09
Net-(D4-A): length 4.1
  Bottom w0.2: D4.2 63.04,88.09
Net-(D5-A): length 4.1
  Bottom w0.2: D5.2 82.09,88.09
Net-(D6-A): length 4.1
  Bottom w0.2: D6.2 101.14,88.09
Net-(D7-A): length 4.1
  Bottom w0.2: D7.2 120.19,88.09
Net-(D8-A): length 4.1
  Bottom w0.2: D8.2 139.24,88.09
Net-(D9-A): length 4.1
  Bottom w0.2: D9.2 158.29,88.09
Net-(D10-A): length 4.1
  Bottom w0.2: D10.2 177.34,88.09
Net-(D11-A): length 4.1
  Bottom w0.2: D11.2 196.39,88.09
Net-(D12-A): length 4.1
  Bottom w0.2: D12.2 215.44,88.09
Net-(D13-A): length 4.1
  Bottom w0.2: D13.2 234.49,88.09
Net-(D14-A): length 4.1
  Bottom w0.2: SW14.1 253.37,84.2
Net-(D15-A): length 15.8
  Bottom w0.2: SW16.2 268.47,80.64 265.08,84.03 D15.2 263.48,84.44 263.48,87.67
Net-(D17-A): length 4.1
  Bottom w0.2: D17.2 10.65,69.04
Net-(D18-A): length 4.1
  Bottom w0.2: D18.2 34.46,69.04
Net-(D19-A): length 4.1
  Bottom w0.2: D19.2 53.51,69.04
Net-(D20-A): length 4.1
  Bottom w0.2: D20.2 72.56,69.04
Net-(D21-A): length 4.1
  Bottom w0.2: D21.2 91.61,69.04
Net-(D22-A): length 4.1
  Bottom w0.2: D22.2 110.66,69.04
Net-(D23-A): length 4.1
  Bottom w0.2: D23.2 129.71,69.04
Net-(D24-A): length 4.1
  Bottom w0.2: D24.2 148.76,69.04
Net-(D25-A): length 4.1
  Bottom w0.2: D25.2 167.81,69.04
Net-(D26-A): length 4.1
  Bottom w0.2: D26.2 186.86,69.04
Net-(D27-A): length 4.1
  Bottom w0.2: D27.2 205.91,69.04
Net-(D28-A): length 4.1
  Bottom w0.2: D28.2 224.96,69.04
Net-(D29-A): length 4.1
  Bottom w0.2: D29.2 244.01,69.04
Net-(D31-A): length 4.1
  Bottom w0.2: D31.2 270.21,59.52
Net-(D32-A): length 9
  Bottom w0.2: SW32.S2 311.07,91.97 311.07,84.03
Net-(D33-A): length 8.8
  Bottom w0.2: D33.2 8.27,49.99
  Bottom w0.25: SW33.1 SW34.1
Net-(D35-A): length 4.1
  Bottom w0.2: D35.2 39.23,49.99
Net-(D36-A): length 4.1
  Bottom w0.2: D36.2 58.28,49.99
Net-(D37-A): length 4.1
  Bottom w0.2: D37.2 77.33,49.99
Net-(D38-A): length 4.1
  Bottom w0.2: D38.2 96.38,49.99
Net-(D39-A): length 4.1
  Bottom w0.2: D39.2 115.43,49.99
Net-(D40-A): length 4.1
  Bottom w0.2: D40.2 134.48,49.99
Net-(D41-A): length 4.1
  Bottom w0.2: D41.2 153.53,49.99
Net-(D42-A): length 4.1
  Bottom w0.2: D42.2 172.58,49.99
Net-(D43-A): length 4.1
  Bottom w0.2: D43.2 191.63,49.99
Net-(D44-A): length 4.1
  Bottom w0.2: D44.2 210.68,49.99
Net-(D45-A): length 4.1
  Bottom w0.2: D45.2 229.73,49.99
Net-(D46-A): length 16
  Bottom w0.2: SW46.1 SW47.1 ; D46.2 248.78,49.99
Net-(D48-A): length 9
  Bottom w0.2: 311.07,45.93 311.07,53.87 SW48.S2
Net-(D49-A): length 13.6
  Bottom w0.2: 8.1,27.05 8.1,31.11 17.62,31.11
Net-(D51-A): length 6.8
  Bottom w0.2: SW51.2 27.42,26.83 D51.2
Net-(D52-A): length 4.1
  Bottom w0.2: D52.2 48.75,30.94
Net-(D53-A): length 4.1
  Bottom w0.2: D53.2 67.8,30.94
Net-(D54-A): length 4.1
  Bottom w0.2: D54.2 86.85,30.94
Net-(D55-A): length 4.1
  Bottom w0.2: D55.2 105.9,30.94
Net-(D56-A): length 4.1
  Bottom w0.2: D56.2 124.95,30.94
Net-(D57-A): length 4.1
  Bottom w0.2: D57.2 144,30.94
Net-(D58-A): length 4.1
  Bottom w0.2: D58.2 163.05,30.94
Net-(D59-A): length 4.1
  Bottom w0.2: D59.2 182.1,30.94
Net-(D60-A): length 4.1
  Bottom w0.2: D60.2 201.15,30.94
Net-(D61-A): length 4.1
  Bottom w0.2: D61.2 220.2,30.94
Net-(D62-A): length 4.1
  Bottom w0.2: D62.2 246.4,30.94
Net-(D63-A): length 4.1
  Bottom w0.2: D63.2 272.59,30.94
Net-(D64-A): length 18.1
  Bottom w0.2: SW64.1 6.47,12.06 5.6,11.2 5.6,9.02 6.79,7.83 10.29,7.83 10.94,7.18 17.9,7.18
Net-(D66-A): length 18.1
  Bottom w0.2: SW66.1 30.28,12.06 29.41,11.2 29.41,9.02 30.6,7.83 34.1,7.83 34.75,7.18 41.71,7.18
Net-(D68-A): length 18.1
  Bottom w0.2: 65.53,7.18 58.56,7.18 57.91,7.83 54.42,7.83 53.23,9.02 53.23,11.2 54.09,12.06 SW68.1
Net-(D70-A): length 26.9
  Bottom w0.2: SW71.1 146.69,9.03 143.65,12.06 SW70.1 ; D70.2 127.33,11.89
Net-(D72-A): length 4.1
  Bottom w0.2: D72.2 198.77,11.89
Net-(D74-A): length 17.2
  Bottom w0.2: SW74.1 221.09,10.75 218.25,10.75 217.53,10.03 217.53,9.02 218.25,8.3 221.75,8.3 222.87,7.18 227.19,7.18
Net-(D75-A): length 4.1
  Bottom w0.2: D75.2 253.54,11.89
Net-(D76-A): length 4.1
  Bottom w0.2: D76.2 272.59,11.89
Net-(D77-A): length 4.1
  Bottom w0.2: D77.2 291.64,11.89
Net-(R7-Pad1): length 3.8
  Bottom w0.2: 122.54,8.91 120.79,10.65 120.79,11.19 R7.1
Net-(R8-Pad2): length 1
  Bottom w0.2: R9.1 R8.2
Net-(U1-USB_DM): length 3.7
  Bottom w0.2: R5.2 105.38,15.29 U1.46
Net-(U1-USB_DP): length 3.7
  Bottom w0.2: U1.47 105.67,15.01 R4.2

## Copper pours and planes (outline as drawn; the poured copper is in the pictures)
GND on Top, Bottom: -46.66,138.64 341.7,129.75 361.26,-28.75 -92.89,-26.72

## Text on the board
B.Silkscreen: REST | BOOT
F.Silkscreen: REST | BOOT
